# KiCad board coco2.kicad_pcb (continued)
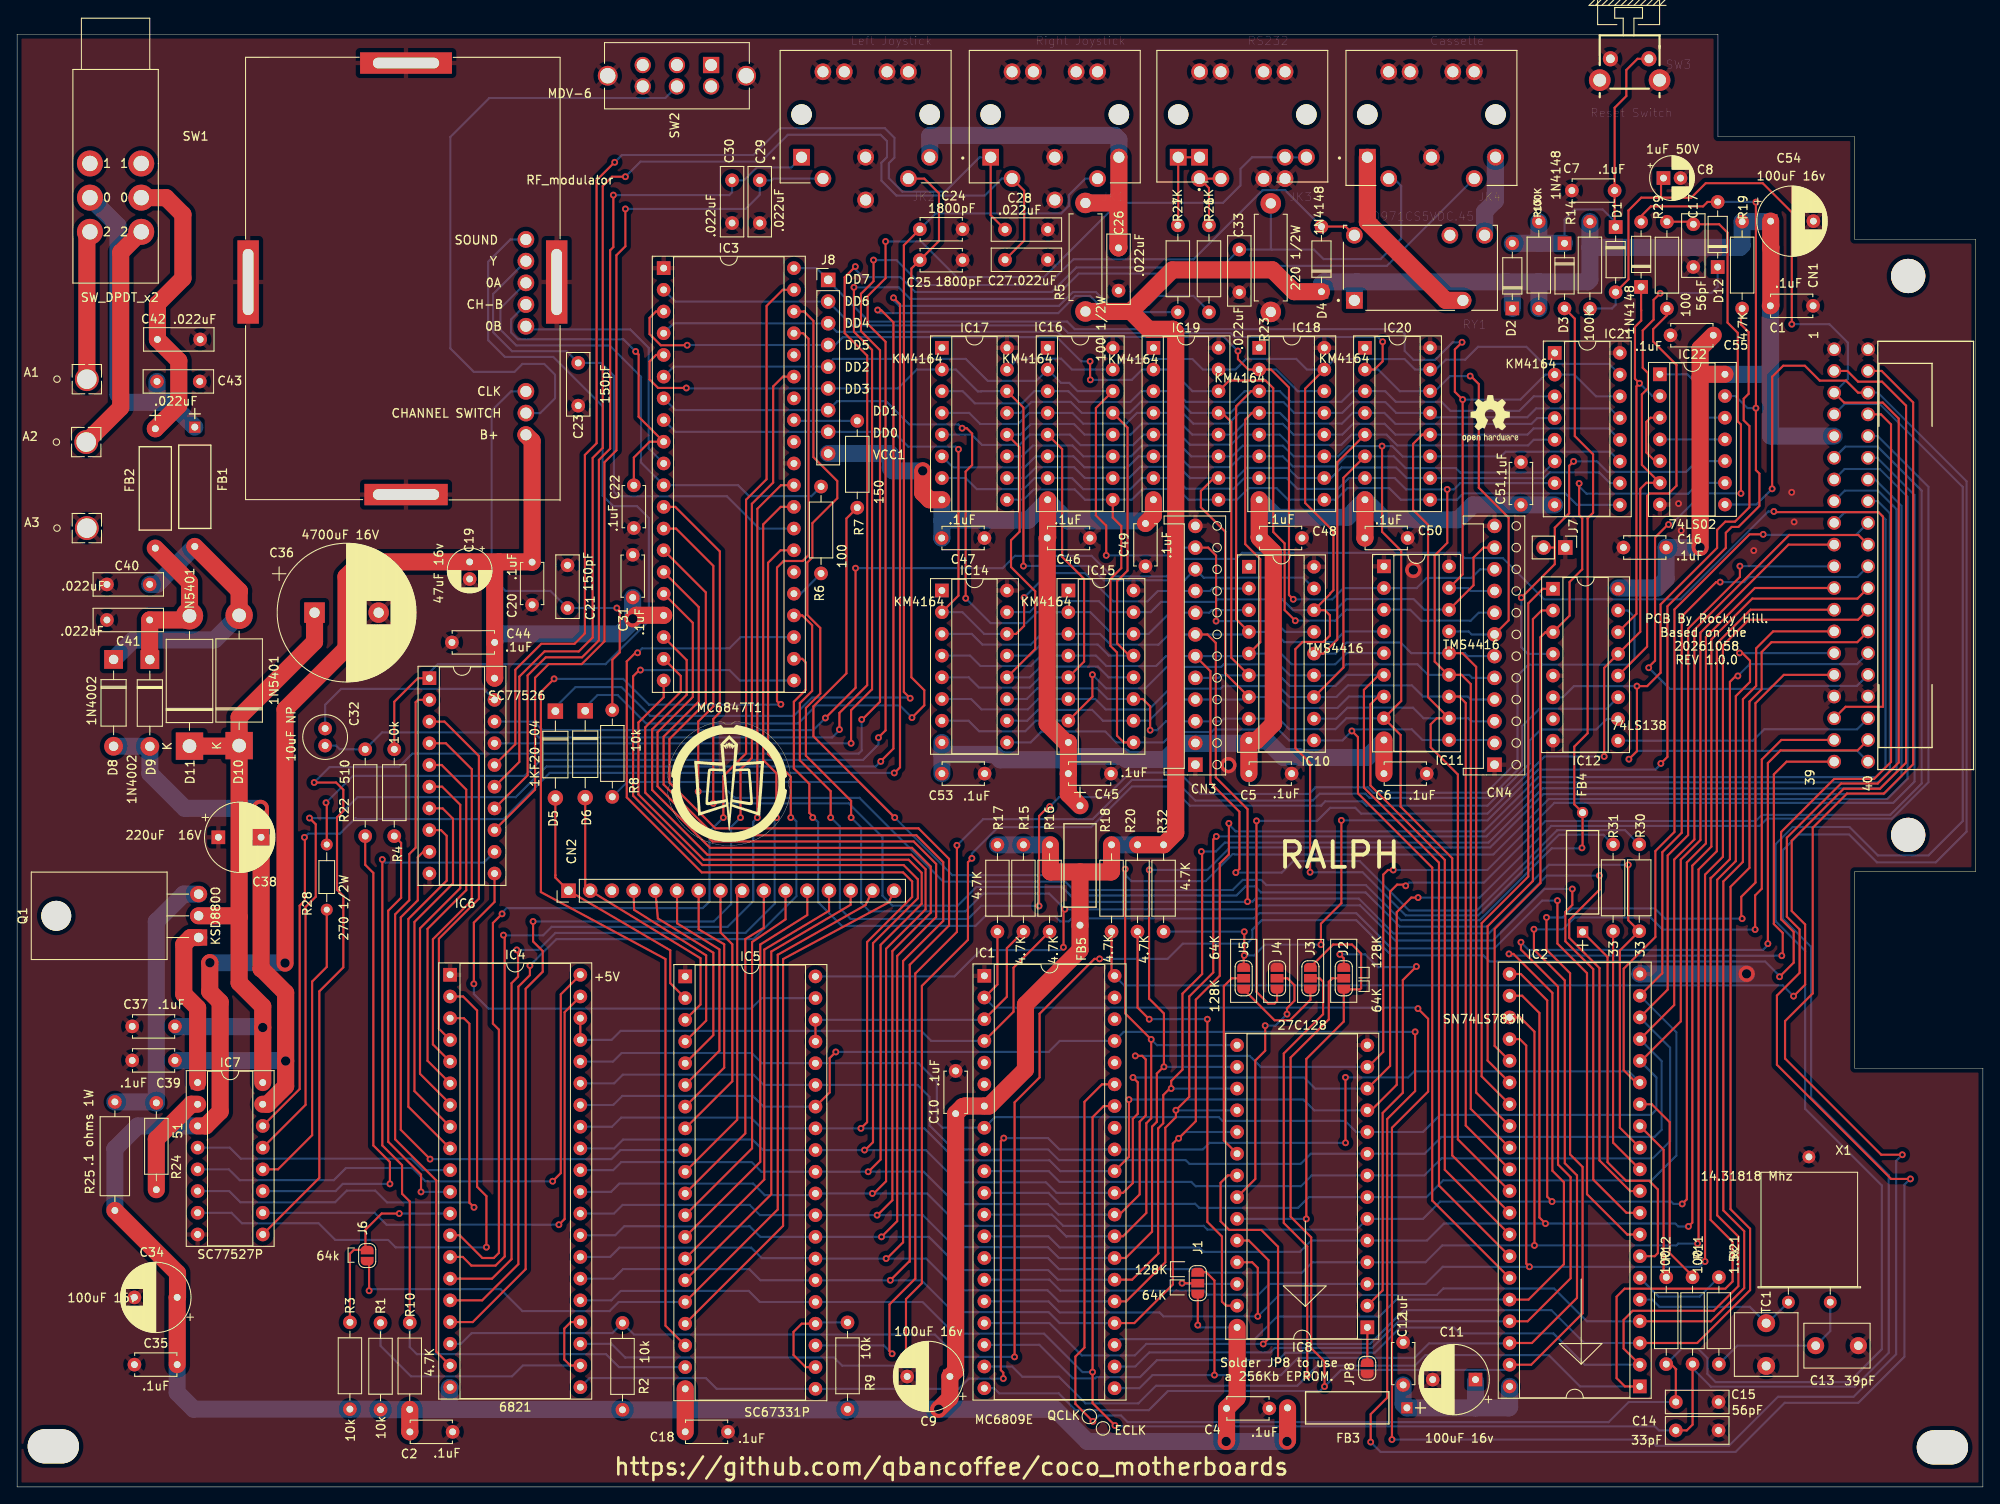
[diagram p0: board, top side]
## Footprints (pads in the part's own frame, mm; a bottom-side part is the same pattern mirrored in y, then rotated)
B3F3152
  round 1.778 hole 1.016: 1(1.25,-2.5) 2(5.75,-2.5)
  round 2.54 hole 1.5: GNDS(0,0) GNDS(7,0)
C_Disc_D4.7mm_W2.5mm_P5.00mm
  round 1.6 hole 0.8: 1(0,0) 2(5,0)
C_Disc_D7.5mm_W5.0mm_P5.00mm
  round 2 hole 1: 1(0,0) 2(5,0)
C_Disc_D8.0mm_W2.5mm_P5.00mm
  round 1.6 hole 0.8: 1(0,0) 2(5,0)
C_Radial_D5.0mm_H11.0mm_P2.00mm
  round 1.6 hole 0.8: 1(0,0) 2(2,0)
C_Rect_L7.2mm_W2.5mm_P5.00mm_FKS2_FKP2_MKS2_MKP2
  round 1.6 hole 0.8: 1(0,0) 2(5,0)
C_Rect_L7.2mm_W3.0mm_P5.00mm_FKS2_FKP2_MKS2_MKP2
  round 1.6 hole 0.8: 1(0,0) 2(5,0)
C_Rect_L7.2mm_W7.2mm_P5.00mm_FKS2_FKP2_MKS2_MKP2
  round 2.1 hole 1.05: 1(0,0) 2(5,0)
CoCo_2_3134A_RF_Modulator
  round 1.95 hole 1.3: 1(-5.2,-46.38) 2(-5.2,-43.84) 3(-5.2,-41.3) 4(-5.2,-33.68) 5(-5.2,-31.14) 6(-5.2,-28.6) 7(-5.2,-26.06) 8(-5.2,-23.52)
  rect 2.5x9.75 hole 1.25x7.75: 9(-37.7,-28.5) 9(-1.6,-28.5)
  rect 10.75x2.5 hole 7.75x1.25: 9(-19.225,-2.875)
  rect 9.75x2.5 hole 7.75x1.25: 9(-19.225,-53.375)
CP_Radial_D5.0mm_P2.00mm
  rect 1.6x1.6 hole 0.8: 1(0,0)
  round 1.6 hole 0.8: 2(2,0)
CP_Radial_D8.0mm_P5.00mm
  rect 1.6x1.6 hole 0.8: 1(0,0)
  round 1.6 hole 0.8: 2(5,0)
CP_Radial_D16.0mm_P7.50mm
  rect 2.4x2.4 hole 1.2: 1(0,0)
  round 2.4 hole 1.2: 2(7.5,0)
Crystal_HC49-U_Horizontal
  round 1.5 hole 0.8: 1(0,0) 2(4.9,0) 3(2.5,-17)
CUI_SDS-40J
  round 2.4 hole 2.4 unplated: (-7.5,0) (7.5,0)
  rect 1.95x1.95 hole 1.3: 1(5,5) 1(7.5,5)
  round 1.95 hole 1.3: 2(2.5,7.5) 2(5,7.5) 3(-5,7.5) 3(-2.5,7.5) 4(-7.5,5) 4(-5,5) E1(-5,-5) E1(-2.5,-5) E2(2.5,-5) E2(5,-5)
CUI_SDS-50J
  round 2.4 hole 2.4 unplated: (-7.5,0) (7.5,0)
  rect 1.95x1.95 hole 1.3: 1(7.5,5)
  round 1.95 hole 1.3: 2(0,5) 3(-7.5,5) 4(5,7.5) 5(-5,7.5) E1(-5,-5) E1(-2.5,-5) E2(2.5,-5) E2(5,-5)
CUI_SDS-60J
  round 2.4 hole 2.4 unplated: (-7.5,0) (7.5,0)
  rect 1.95x1.95 hole 1.3: 1(7.5,5)
  round 1.95 hole 1.3: 2(5,7.5) 3(0,5) 4(-5,7.5) 5(-7.5,5) 6(0,10) E1(-5,-5) E1(-2.5,-5) E2(2.5,-5) E2(5,-5)
D_A-405_P10.16mm_Horizontal
  rect 1.8x1.8 hole 0.9: 1(0,0)
  oval 1.8x1.8 hole 0.9: 2(10.16,0)
D_DO-35_SOD27_P7.62mm_Horizontal
  rect 1.6x1.6 hole 0.8: 1(0,0)
  oval 1.6x1.6 hole 0.8: 2(7.62,0)
D_DO-41_SOD81_P10.16mm_Horizontal
  rect 2.2x2.2 hole 1.1: 1(0,0)
  oval 2.2x2.2 hole 1.1: 2(10.16,0)
D_DO-201AD_P15.24mm_Horizontal
  rect 3.2x3.2 hole 1.6: 1(0,0)
  oval 3.2x3.2 hole 1.6: 2(15.24,0)
DIP-14_W7.62mm_Socket
  rect 1.6x1.6 hole 0.8: 1(0,0)
  oval 1.6x1.6 hole 0.8: 2(0,-2.54) 3(0,-5.08) 4(0,-7.62) 5(0,-10.16) 6(0,-12.7) 7(0,-15.24) 8(7.62,-15.24) 9(7.62,-12.7) 10(7.62,-10.16) 11(7.62,-7.62) 12(7.62,-5.08) 13(7.62,-2.54) 14(7.62,0)
DIP-16_W7.62mm_Socket
  rect 1.6x1.6 hole 0.8: 1(0,0)
  oval 1.6x1.6 hole 0.8: 2(0,-2.54) 3(0,-5.08) 4(0,-7.62) 5(0,-10.16) 6(0,-12.7) 7(0,-15.24) 8(0,-17.78) 9(7.62,-17.78) 10(7.62,-15.24) 11(7.62,-12.7) 12(7.62,-10.16) 13(7.62,-7.62) 14(7.62,-5.08) 15(7.62,-2.54) 16(7.62,0)
DIP-18_W7.62mm_Socket
  rect 1.6x1.6 hole 0.8: 1(0,0)
  oval 1.6x1.6 hole 0.8: 2(0,-2.54) 3(0,-5.08) 4(0,-7.62) 5(0,-10.16) 6(0,-12.7) 7(0,-15.24) 8(0,-17.78) 9(0,-20.32) 10(7.62,-20.32) 11(7.62,-17.78) 12(7.62,-15.24) 13(7.62,-12.7) 14(7.62,-10.16) 15(7.62,-7.62) 16(7.62,-5.08) 17(7.62,-2.54) 18(7.62,0)
DIP-20_W7.62mm_Socket
  rect 1.6x1.6 hole 0.8: 1(0,0)
  oval 1.6x1.6 hole 0.8: 2(0,-2.54) 3(0,-5.08) 4(0,-7.62) 5(0,-10.16) 6(0,-12.7) 7(0,-15.24) 8(0,-17.78) 9(0,-20.32) 10(0,-22.86) 11(7.62,-22.86) 12(7.62,-20.32) 13(7.62,-17.78) 14(7.62,-15.24) 15(7.62,-12.7) 16(7.62,-10.16) 17(7.62,-7.62) 18(7.62,-5.08) 19(7.62,-2.54) 20(7.62,0)
DIP-28_W15.24mm_Socket
  rect 1.6x1.6 hole 0.8: 1(0,0)
  oval 1.6x1.6 hole 0.8: 2(0,-2.54) 3(0,-5.08) 4(0,-7.62) 5(0,-10.16) 6(0,-12.7) 7(0,-15.24) 8(0,-17.78) 9(0,-20.32) 10(0,-22.86) 11(0,-25.4) 12(0,-27.94) 13(0,-30.48) 14(0,-33.02) 15(15.24,-33.02) 16(15.24,-30.48) 17(15.24,-27.94) 18(15.24,-25.4) 19(15.24,-22.86) 20(15.24,-20.32) 21(15.24,-17.78) 22(15.24,-15.24) 23(15.24,-12.7) 24(15.24,-10.16) 25(15.24,-7.62) 26(15.24,-5.08) 27(15.24,-2.54) 28(15.24,0)
DIP-40_W15.24mm_Socket
  rect 1.6x1.6 hole 0.8: 1(0,0)
  oval 1.6x1.6 hole 0.8: 2(0,-2.54) 3(0,-5.08) 4(0,-7.62) 5(0,-10.16) 6(0,-12.7) 7(0,-15.24) 8(0,-17.78) 9(0,-20.32) 10(0,-22.86) 11(0,-25.4) 12(0,-27.94) 13(0,-30.48) 14(0,-33.02) 15(0,-35.56) 16(0,-38.1) 17(0,-40.64) 18(0,-43.18) 19(0,-45.72) 20(0,-48.26) 21(15.24,-48.26) 22(15.24,-45.72) 23(15.24,-43.18) 24(15.24,-40.64) 25(15.24,-38.1) 26(15.24,-35.56) 27(15.24,-33.02) 28(15.24,-30.48) 29(15.24,-27.94) 30(15.24,-25.4) 31(15.24,-22.86) 32(15.24,-20.32) 33(15.24,-17.78) 34(15.24,-15.24) 35(15.24,-12.7) 36(15.24,-10.16) 37(15.24,-7.62) 38(15.24,-5.08) 39(15.24,-2.54) 40(15.24,0)
EBC20DRAS
  round 4 hole 4: (-8.572,4.699) (56.833,4.699)
  round 1.6 hole 1.092: 1(0,-3.962) 2(0,0) 3(2.54,-3.962) 4(2.54,0) 5(5.08,-3.962) 6(5.08,0) 7(7.62,-3.962) 8(7.62,0) 9(10.16,-3.962) 10(10.16,0) 11(12.7,-3.962) 12(12.7,0) 13(15.24,-3.962) 14(15.24,0) 15(17.78,-3.962) 16(17.78,0) 17(20.32,-3.962) 18(20.32,0) 19(22.86,-3.962) 20(22.86,0) 21(25.4,-3.962) 22(25.4,0) 23(27.94,-3.962) 24(27.94,0) 25(30.48,-3.962) 26(30.48,0) 27(33.02,-3.962) 28(33.02,0) 29(35.56,-3.962) 30(35.56,0) 31(38.1,-3.962) 32(38.1,0) 33(40.64,-3.962) 34(40.64,0) 35(43.18,-3.962) 36(43.18,0) 37(45.72,-3.962) 38(45.72,0) 39(48.26,-3.962) 40(48.26,0)
F2UEE
  round 3.044 hole 1.8: 1(-6,0) 2(-6,-4) 3(-6,-8) 4(0,0) 5(0,-4) 6(0,-8)
ferrite_bead
  rect 1.321x1.321 hole 0.813: 1(0,0)
  round 1.321 hole 0.813: 2(13.97,0)
MFS201N-16-Z
  rect 1.905x1.905 hole 1.397: 1(0,0)
  round 1.905 hole 1.397: 2(0,-4) 3(0,-8) 4(2.5,-8) 5(2.5,-4) 6(2.5,0)
  round 2.311 hole 1.803: 7(1.25,4.1) 8(1.25,-12.1)
MountingHole_4mm
  oval 6x4 hole 6x4 unplated: (0,0)
PinHeader_1x02_P2.54mm_Vertical
  rect 1.7x1.7 hole 1: 1(0,0)
  oval 1.7x1.7 hole 1: 2(0,-2.54)
PinHeader_1x09_P2.54mm_Vertical
  rect 1.7x1.7 hole 1: 1(0,0)
  oval 1.7x1.7 hole 1: 2(0,-2.54) 3(0,-5.08) 4(0,-7.62) 5(0,-10.16) 6(0,-12.7) 7(0,-15.24) 8(0,-17.78) 9(0,-20.32)
PinHeader_1x16_P2.54mm_Vertical
  rect 1.7x1.7 hole 1: 1(0,0)
  oval 1.7x1.7 hole 1: 2(0,-2.54) 3(0,-5.08) 4(0,-7.62) 5(0,-10.16) 6(0,-12.7) 7(0,-15.24) 8(0,-17.78) 9(0,-20.32) 10(0,-22.86) 11(0,-25.4) 12(0,-27.94) 13(0,-30.48) 14(0,-33.02) 15(0,-35.56) 16(0,-38.1)
PinSocket_1x12_P2.54mm_for_memory_board_adapter
  rect 1.7x1.7 hole 1: 1(0,0)
  oval 1.7x1.7 hole 1: 2(0,-2.54) 3(0,-5.08) 4(0,-7.62) 5(0,-10.16) 6(0,-12.7) 7(0,-15.24) 8(0,-17.78) 9(0,-20.32) 10(0,-22.86) 11(0,-25.4) 12(0,-27.94)
power_connector_post
  round 2.794 hole 2.286: 1(0,0)
R_Axial_DIN0204_L3.6mm_D1.6mm_P7.62mm_Horizontal
  round 1.4 hole 0.7: 1(0,0)
  oval 1.4x1.4 hole 0.7: 2(7.62,0)
R_Axial_DIN0207_L6.3mm_D2.5mm_P10.16mm_Horizontal
  round 1.6 hole 0.8: 1(0,0)
  oval 1.6x1.6 hole 0.8: 2(10.16,0)
R_Axial_DIN0309_L9.0mm_D3.2mm_P12.70mm_Horizontal
  round 1.6 hole 0.8: 1(0,0)
  oval 1.6x1.6 hole 0.8: 2(12.7,0)
R_Axial_DIN0411_L9.9mm_D3.6mm_P12.70mm_Horizontal
  round 2.4 hole 1.2: 1(0,0)
  oval 2.4x2.4 hole 1.2: 2(12.7,0)
RELAY_J0971CS5VDC.45
  round 1.95 hole 1.3: 11(4.97,-3.81) 12(3.446,3.81) 14(7.51,3.81) A2(-7.73,3.81)
  rect 1.95x1.95 hole 1.3: A1(-7.73,-3.81)
SolderJumper-2_P1.3mm_Open_RoundedPad1.0x1.5mm
  custom 1x1.5 smd: 1(-0.65,0) 2(0.65,0)
SolderJumper-3_P1.3mm_Open_RoundedPad1.0x1.5mm_NumberLabels
  custom 1.05x1.5 smd: 1(-1.3,0) 3(1.3,0)
  rect 1x1.5 smd: 2(0,0)
TO-220-3_Horizontal_TabDown
  oval 3.5x3.5 hole 3.5 unplated: (2.54,16.66)
  rect 1.905x2 hole 1.1: 1(0,0)
  oval 1.905x2 hole 1.1: 2(2.54,0) 3(5.08,0)

## Nets
+5V: C1.1 C2.2 C4.1 C9.1 C10.2 C16.1 C18.2 C19.1 C20.1 C31.1 C34.1 C35.2 C44.2 C54.1 C55.1 CN1.9 D2.1 D4.1 FB3.2 FB5.2 IC1.7 IC3.17 IC4.20 IC5.20 IC6.20 IC7.3 IC8.28 IC12.16 IC22.14 J1.3 MDV-6.1 R1.1 R2.2 R3.1 R5.1 R9.1 R10.2 R13.1 R14.1 R15.1 R16.1 R17.1 R18.1 R19.1 R20.1 R25.1 R32.1 RY1.A1
/dram/VCC1: C5.2 C6.2 C45.2 C46.2 C47.2 C48.2 C49.2 C50.2 C51.2 C53.2 CN3.2 FB5.1 IC10.9 IC11.9 IC14.8 IC15.8 IC16.8 IC17.8 IC18.8 IC19.8 IC20.8 IC21.8 J8.9
GNDS: A3.1 C1.2 C2.1 C4.2 C5.1 C6.1 C7.2 C8.2 C9.2 C10.1 C11.2 C12.1 C13.2 C14.1 C15.1 C16.2 C17.1 C18.1 C19.2 C20.2 C21.1 C22.2 C23.1 C24.2 C25.2 C26.2 C27.2 C28.1 C29.2 C30.1 C31.2 C33.1 C34.2 C35.1 C36.2 C37.1 C38.1 C39.2 C40.2 C41.2 C42.2 C43.2 C44.1 C45.1 C46.1 C47.1 C48.1 C49.1 C50.1 C51.1 C53.1 C54.2 C55.2 CN1.1 CN1.2 CN1.33 CN1.34 CN3.1 CN3.12 CN4.1 CN4.12 IC1.1 IC1.39 IC2.20 IC3.1 IC3.31 IC4.1 IC5.1 IC6.10 IC7.8 IC8.14 IC10.1 IC10.18 IC11.1 IC11.18 IC12.5 IC12.8 IC14.16 IC15.16 IC16.16 IC17.16 IC18.16 IC19.16 IC20.16 IC21.16 IC22.3 IC22.5 IC22.7 J4.1 J7.1 JK1.3 JK1.6 JK1.E1 JK1.E2 JK2.3 JK2.6 JK2.E1 JK2.E2 JK3.3 JK3.E1 JK3.E2 JK4.2 JK4.E1 JK4.E2 JP8.2 MDV-6.9 R23.1 SW2.4 SW2.7 SW2.8 SW3.2 SW3.GNDS TC1.2 X1.3
/A0: CN1.19 IC1.8 IC2.16 IC4.36 IC5.36 IC8.10
/A1: CN1.20 IC1.9 IC2.17 IC4.35 IC5.35 IC8.9
/A2: CN1.21 IC1.10 IC2.18 IC8.8
/A3: CN1.22 IC1.11 IC2.19 IC8.7
/A4: CN1.23 IC1.12 IC2.21 IC8.6
/A5: CN1.24 IC1.13 IC2.22 IC8.5
/A6: CN1.25 IC1.14 IC2.23 IC8.4
/A7: CN1.26 IC1.15 IC2.24 IC8.3
/A8: CN1.27 IC1.16 IC2.4 IC8.25
/A9: CN1.28 IC1.17 IC2.3 IC8.24
/A10: CN1.29 IC1.18 IC2.2 IC8.21
/A11: CN1.30 IC1.19 IC2.1 J3.2
/A12: CN1.31 IC1.20 IC2.39 J2.2
/A13: CN1.37 IC1.21 IC2.38 J1.1
/A14: CN1.38 IC1.22 IC2.37
/A15: CN1.39 IC1.23 IC2.36
/CART_SND: CN1.35 IC6.18
/D0: CN1.10 IC1.31 IC3.23 IC4.33 IC5.33 IC8.11
/D1: CN1.11 IC1.30 IC3.21 IC4.32 IC5.32 IC8.12
/D2: CN1.12 IC1.29 IC3.20 IC4.31 IC5.31 IC8.13
/D3: CN1.13 IC1.28 IC3.19 IC4.30 IC5.30 IC8.15
/D4: CN1.14 IC1.27 IC3.18 IC4.29 IC5.29 IC8.16
/D5: CN1.15 IC1.26 IC3.16 IC4.28 IC5.28 IC8.17
/D6: CN1.16 IC1.25 IC3.15 IC4.27 IC5.27 IC8.18
/D7: CN1.17 IC1.24 IC3.14 IC4.26 IC5.26 IC8.19
/dram/DD0: CN3.9 IC3.8 IC10.2 IC14.2 IC14.14 J8.8
/dram/DD1: CN3.8 IC3.7 IC10.3 IC15.2 IC15.14 J8.7
/dram/DD2: CN3.11 IC3.6 IC10.15 IC16.2 IC16.14 J8.5
/dram/DD3: CN3.10 IC3.5 IC10.17 IC17.2 IC17.14 J8.6
/dram/DD4: CN4.10 IC3.4 IC11.2 IC18.2 IC18.14 J8.3
/dram/DD5: CN4.8 IC3.3 IC11.3 IC19.2 IC19.14 J8.4
/dram/DD6: CN4.7 IC3.2 IC11.15 IC20.2 IC20.14 J8.2
/dram/DD7: CN4.9 IC3.40 IC11.17 IC21.2 IC21.14 J8.1
/dram/MA0: CN4.6 IC2.28 IC10.14 IC11.14 IC14.5 IC15.5 IC16.5 IC17.5 IC18.5 IC19.5 IC20.5 IC21.5
/dram/MA1: CN4.5 IC2.29 IC10.13 IC11.13 IC14.7 IC15.7 IC16.7 IC17.7 IC18.7 IC19.7 IC20.7 IC21.7
/dram/MA2: CN4.4 IC2.30 IC10.12 IC11.12 IC14.6 IC15.6 IC16.6 IC17.6 IC18.6 IC19.6 IC20.6 IC21.6
/dram/MA3: CN4.3 IC2.31 IC10.11 IC11.11 IC14.12 IC15.12 IC16.12 IC17.12 IC18.12 IC19.12 IC20.12 IC21.12
/dram/MA4: CN3.3 IC2.32 IC10.8 IC11.8 IC14.11 IC15.11 IC16.11 IC17.11 IC18.11 IC19.11 IC20.11 IC21.11
/dram/MA5: CN3.4 IC2.33 IC10.7 IC11.7 IC14.10 IC15.10 IC16.10 IC17.10 IC18.10 IC19.10 IC20.10 IC21.10
/dram/MA6: CN3.5 IC2.34 IC10.6 IC11.6 IC14.13 IC15.13 IC16.13 IC17.13 IC18.13 IC19.13 IC20.13 IC21.13
/dram/MA7: CN4.2 IC2.35 IC10.10 IC11.10 IC14.9 IC15.9 IC16.9 IC17.9 IC18.9 IC19.9 IC20.9 IC21.9
/dram/~{CAS}: CN4.11 IC10.16 IC11.16 IC14.15 IC15.15 IC16.15 IC17.15 IC18.15 IC19.15 IC20.15 IC21.15 R31.1
/dram/~{RAS}: CN3.6 IC10.5 IC11.5 IC14.4 IC15.4 IC16.4 IC17.4 IC18.4 IC19.4 IC20.4 IC21.4 R30.1
/dram/~{WE}: CN3.7 IC2.10 IC3.12 IC10.4 IC11.4 IC14.3 IC15.3 IC16.3 IC17.3 IC18.3 IC19.3 IC20.3 IC21.3
/E: C14.2 CN1.6 IC1.34 IC4.25 IC5.25 IC22.8 R11.1
/peripherals/+SALT_VIN: C36.1 C37.2 D10.1 D11.1 IC7.16 Q1.2
/peripherals/-SALT_VIN: C38.2 C39.1 D8.2 D9.2 IC7.15
/peripherals/CASS_DATA_IN: C32.1 C33.2 JK4.4 R22.1 R23.2
/peripherals/CASS_DATA_OUT_TTL: IC4.2 IC7.7
/peripherals/CASS_M_IN_TTL: IC4.39 IC7.10
/peripherals/CASS_MTR_OUT: D4.2 IC7.9 RY1.A2
/peripherals/CD_IN: IC7.13 R27.1
/peripherals/CD_OUT_TTL: IC4.40 IC7.5
/peripherals/CSS: IC3.39 IC4.13
/peripherals/GM1: IC3.29 IC4.15
/peripherals/GM2: IC3.27 IC4.16
/peripherals/HI_LO: IC5.9 IC6.9
/peripherals/JOY0: C28.2 IC6.16 JK1.1
/peripherals/JOY1: C27.1 IC6.15 JK1.2
/peripherals/JOY2: C30.2 IC6.14 JK2.1
/peripherals/JOY3: C29.1 IC6.13 JK2.2
/peripherals/KR3: CN2.4 IC5.4
/peripherals/KR4: CN2.5 IC5.5
/peripherals/KR5: CN2.6 IC5.6
/peripherals/KR6: CN2.7 IC5.7
/peripherals/KR7: CN2.8 IC5.8
/peripherals/LSW: CN2.2 D6.2 IC5.3
/peripherals/RSW: CN2.1 D5.2 IC5.2
/peripherals/SELA: IC5.39 IC6.11
/peripherals/SELB: IC5.19 IC6.12 R10.1
/peripherals/SER_DATA_IN_TTL: IC4.3 IC7.6
/peripherals/SER_DATA_OUT: IC7.12 R28.2
/peripherals/SER_DATA_OUT_TTL: IC4.10 IC7.4
/peripherals/SERIAL_DATA_IN: IC7.14 R26.1
/peripherals/SND_OUT: IC6.1 MDV-6.8 R4.1
/peripherals/~{A}_G: IC3.35 IC4.17
/Q: C15.2 CN1.7 IC1.35 R12.1
/roms/128K_ROM_~{CE}: D7.2 D12.2 IC22.13 J5.1 R32.2
/roms/A11_OR_A12: IC8.23 J2.1 J3.1
/roms/A12_OR: IC8.2 J2.3
/roms/A13_VCC: IC8.26 J1.2
/roms/~{CE_}A11: IC8.20 J5.2
/roms/~{CS_BASIC}: D12.1 IC12.13 IC22.6 J4.3
/roms/~{ROM_OE}: IC8.22 J4.2
/R~{W}: CN1.18 IC1.32 IC2.15 IC4.21 IC5.21
/sam/DA0: IC2.8 IC3.22
/sam/~{BUS_ENABLE}: IC3.24 IC12.15
/sam/~{CS_EXTENDED_BASIC}: D7.1 IC12.14 IC22.2
/sam/~{RAS_}CP: IC2.12 IC3.13 R30.2
/VDGCLK: D3.2 FB4.2 R7.1 R8.2
/video/~{BURST}PC: IC3.25 R6.1
/video/~{INT}_EXT: IC3.30 IC4.14
/~{CART}: CN1.8 IC4.18 R2.1
/~{CS_PIA0}: IC5.23 IC12.11
/~{CSPIA1}: IC4.23 IC12.10
/~{CTS}: C17.2 CN1.32 R29.1
/~{FIRQ}: IC1.4 IC4.37 IC4.38 R16.2
/~{FS}: IC3.37 IC5.18
/~{HALT}: CN1.3 IC1.40 R18.2
/~{HS}: IC2.9 IC3.38 IC5.40
/~{IRQ}: IC1.3 IC5.37 IC5.38 R15.2
/~{NMI}: CN1.4 IC1.2 R17.2
/~{RESET}: C8.1 CN1.5 D1.2 IC1.37 IC4.34 IC5.34 R14.2
/~{SCS}: CN1.36 IC12.9
/~{SLENB}: CN1.40 IC12.6 R19.2
Net-(A1-Pad1): A1.1 SW1.3
Net-(A2-Pad1): A2.1 SW1.6
Net-(C7-Pad1): C7.1 D1.1 D2.2 D3.1 R13.2 SW3.1
Net-(C11-Pad1): C11.1 C12.2 FB3.1 IC2.40
Net-(C13-Pad1): C13.1 R21.2 X1.1
Net-(C21-Pad2): C21.2 MDV-6.3 R8.1
Net-(C22-Pad1): C22.1 IC3.9 MDV-6.5
Net-(C23-Pad2): C23.2 IC3.28 MDV-6.7
Net-(C24-Pad1): C24.1 D5.1 JK1.4
Net-(C25-Pad1): C25.1 D6.1 JK2.4
Net-(C26-Pad1): C26.1 JK1.5 JK2.5 R5.2
Net-(C32-Pad2): C32.2 IC6.19
Net-(C40-Pad1): C40.1 D8.1 D10.2 FB1.2
Net-(C41-Pad1): C41.1 D9.1 D11.2 FB2.2
Net-(C42-Pad1): C42.1 FB2.1 SW1.5
Net-(C43-Pad1): C43.1 FB1.1 SW1.2
Net-(CN2-Pad9): CN2.9 IC5.10
Net-(CN2-Pad10): CN2.10 IC5.11
Net-(CN2-Pad11): CN2.11 IC5.12
Net-(CN2-Pad12): CN2.12 IC5.13
Net-(CN2-Pad13): CN2.13 IC5.14
Net-(CN2-Pad14): CN2.14 IC5.15
Net-(CN2-Pad15): CN2.15 IC5.16 J6.1
Net-(CN2-Pad16): CN2.16 IC5.17
Net-(FB4-Pad1): FB4.1 IC2.7
Net-(IC2-Pad5): IC2.5 TC1.1 X1.2
Net-(IC2-Pad6): IC2.6 R21.1
Net-(IC2-Pad11): IC2.11 R31.2
Net-(IC2-Pad13): IC2.13 R12.2
Net-(IC2-Pad14): IC2.14 R11.2
Net-(IC3-Pad10): IC3.10 MDV-6.4
Net-(IC3-Pad11): IC3.11 MDV-6.6 R6.2
Net-(IC3-Pad33): IC3.33 R7.2
Net-(IC4-Pad4): IC4.4 IC6.3
Net-(IC4-Pad5): IC4.5 IC6.4
Net-(IC4-Pad6): IC4.6 IC6.5
Net-(IC4-Pad7): IC4.7 IC6.6
Net-(IC4-Pad8): IC4.8 IC6.7
Net-(IC4-Pad9): IC4.9 IC6.8
Net-(IC4-Pad11): IC4.11 R4.2
Net-(IC4-Pad12): IC4.12 J6.2 R3.2
Net-(IC4-Pad19): IC4.19 IC6.2
Net-(IC4-Pad22): IC4.22 IC4.24 R1.2
Net-(IC5-Pad22): IC5.22 IC5.24 R9.2
Net-(IC6-Pad17): IC6.17 JK4.5
Net-(IC7-Pad1): IC7.1 Q1.1
Net-(IC7-Pad2): IC7.2 R24.2
Net-(IC7-Pad11): IC7.11 R22.2
Net-(IC8-Pad1): IC8.1 JP8.1
Net-(IC8-Pad27): IC8.27 R20.2
Net-(IC12-Pad1): IC2.27 IC12.1
Net-(IC12-Pad2): IC2.26 IC12.2
Net-(IC12-Pad3): IC2.25 IC12.3 IC22.9
Net-(IC12-Pad4): IC12.4 IC22.10 J7.2
Net-(IC12-Pad12): IC12.12 R29.2
Net-(IC22-Pad1): IC22.1 IC22.12
Net-(IC22-Pad11): IC22.4 IC22.11
Net-(J3-Pad3): J3.3 J5.3
Net-(JK3-Pad1): JK3.1 R27.2
Net-(JK3-Pad2): JK3.2 R26.2
Net-(JK3-Pad4): JK3.4 R28.1
Net-(JK4-Pad1): JK4.1 RY1.11
Net-(JK4-Pad3): JK4.3 RY1.14
Net-(MDV-6-Pad2): MDV-6.2 SW2.5
Net-(Q1-Pad3): Q1.3 R24.1 R25.2

Pads without a net: CN2 3; IC1 5 6 33 36 38; IC3 26 32 34 36; IC12 7; IC14 1; IC15 1; IC16 1; IC17 1; IC18 1; IC19 1; IC20 1; IC21 1; RY1 12; SW1 1 4; SW2 1 2 3 6

## Via types
v1: diameter 1.9, hole 1.1, Top to Bottom, 14 vias
v2: diameter 0.8, hole 0.4, Top to Bottom, 201 vias

## Routing (per net, layer and track width the routed paths; a pad name or vN(x,y) marks a point on that pad's centre or on a via; arc(x,y) is an arc through that point)
+5V: length 714.5
  Top w0.25: J1.3 v2(138.14,18.93)
  Top w2: IC22.14 197.3,130.2 196.91,129.81 ; C1.1 205.19,138.27 205.19,145.02 205.17,145.04 C54.1 ; C2.2 45.94,6.46 R10.2 ; v1(141.46,5.32) 141.51,5.37 C4.1 142.74,10.42 IC8.28 ; 130.3,137.55 135.17,142.42 146.87,142.42 149.42,139.87 D4.1 ; 130.3,137.55 132.38,135.47 135.23,135.47 135.56,135.14 135.56,76.55 134.15,75.14 R20.1 ; 130.3,137.55 R5.1 ; 124.4,71.96 124.36,71.92 FB5.2 124.36,62.83 117.98,56.45 117.98,48.84 113.71,44.57 IC1.7 110.88,44.57 110.81,44.5 110.63,44.5 C10.2 109.81,13.59 C9.1 109.14,10.4 v1(107.83,9.09) ; 124.4,71.96 120.93,71.96 120.89,72 120.89,75.14 ; 124.4,71.96 127.98,71.96 128.05,72.03 R18.1 ; MDV-6.1 60.26,122.4 C20.1 60.23,108.25 56.39,108.25 ; 56.39,108.25 55.87,107.74 C44.2 55.87,94.66 IC6.20 ; 56.39,108.25 C19.1 40.21,108.25 38.48,106.52 38.48,98.1 31.35,90.97 v1(31.35,61.3) ; IC3.17 75.64,102 72.44,102 v1(72.03,101.59) ; v1(196.91,109.95) 196.91,129.81 ; 196.91,129.81 196.91,133.23 C55.1 ; IC7.3 22.07,42.24 23.76,43.93 23.76,56.74 22.54,57.96 22.54,61.32 v1(22.56,61.34) ; FB3.2 148.64,5.47 148.63,5.46 ; R25.1 18.77,25.02 18.77,22.22 C34.1 C35.2 ; IC5.20 C18.2
  Bottom w0.25: v2(138.14,18.93) 138.4,18.67 IC8.28
  Bottom w2: 78.17,11.42 78.21,11.42 78.21,9.02 ; v1(196.91,109.95) 196.89,109.93 C16.1 192.94,106.26 191.88,105.2 187.32,105.2 ; 156.76,141.03 152.9,141.03 152.61,140.73 D4.1 ; 156.76,141.03 174.29,141.03 ; 156.76,141.03 156.46,140.72 RY1.A1 ; v1(31.35,61.3) 31.31,61.34 v1(22.56,61.34) ; R25.1 11.44,39.57 14.11,42.24 IC7.3 ; IC22.14 205.02,130.2 205.16,130.06 ; 178.04,141.03 178.04,141.02 R13.1 ; 178.04,141.03 183.78,141.03 184.02,141.27 184.02,145.05 ; 178.04,141.03 174.29,141.03 ; 184.02,145.05 201.59,145.05 201.83,145.29 R19.1 205.11,148.06 C54.1 ; 184.02,145.05 R14.1 ; C35.2 18.73,11.03 20.66,9.1 R3.1 42.46,9.1 R1.1 45.91,9.04 R10.2 50.57,9.07 ; 174.29,141.03 174.94,140.37 D2.1 ; CN1.9 205.2,122.97 205.16,123.01 205.16,130.06 ; 205.16,130.06 205.16,138.17 ; 78.21,9.02 97.09,9.02 R9.1 v1(107.83,9.09) 121.45,9.09 125.22,5.32 v1(141.46,5.32) v1(148.58,5.32) ; 78.21,9.02 R2.2 70.78,9.07 50.57,9.07 ; 50.66,11.62 50.61,11.62 50.57,11.58 50.57,9.07 ; C31.1 v1(72.03,101.59) 72.03,101.33 70.53,99.83 55.93,99.83 55.87,99.78 C44.2 ; R17.1 R16.1 ; R18.1 R20.1
/dram/VCC1: length 235.8
  Top w2: C50.2 157.7,111.05 IC20.8 ; C5.2 IC10.9 145.04,87.36 147.01,89.33 146.98,89.37 146.98,109.4 C48.2 ; IC17.8 106.75,115.52 105.95,116.32 v1(105.95,118.9) ; IC11.9 C6.2 ; 145.38,111.09 145.32,111.15 IC18.8 ; IC16.8 120.58,111.1 C46.2 120.52,89.31 122.71,87.12 IC15.8 123,83.48 C45.2 122.99,81.08 FB5.1 ; IC19.8 132.95,113.67 C49.2
  Bottom w2: 150.06,85.36 157.95,85.36 159.92,87.33 ; 122.99,85.09 115.02,85.09 114.39,85.72 108.2,85.72 ; 122.99,85.09 123.37,85.47 129.44,85.47 129.79,85.12 134.36,85.12 136.26,87.02 137.86,87.02 ; 122.99,85.09 122.99,87.07 123,87.08 ; 122.99,85.09 C45.2 ; IC17.8 108.2,113.12 ; 108.2,113.12 108.2,111.06 C47.2 ; 108.2,113.12 118.29,113.12 120.58,115.41 122.94,113.04 131.72,113.04 C49.2 ; 137.9,87.02 143.78,87.02 144.08,87.32 144.12,87.32 ; 108.2,85.72 C53.2 ; 108.2,85.72 IC14.8 ; 144.12,87.32 146.23,87.32 148.18,85.36 148.29,85.47 149.95,85.47 ; 144.12,87.32 C5.2 ; IC18.8 147.38,113.47 155.65,113.47 IC20.8 157.7,115.51 160.03,113.18 168.59,113.18 170.33,114.92 IC21.8 ; J8.9 102.11,120.93 102.17,120.87 102.17,119.22 102.49,118.9 v1(105.95,118.9)
GNDS: length 19.9
  Top w0.25: IC22.5 191.64,120.04 190.62,121.06 190.62,124.63 191.11,125.12 IC22.3
  Bottom w2: v1(202.35,60.04) 189.88,60.04 IC2.20
  vias: v1(141.72,84.46) v1(163.36,107.3) v2(194.39,115.07) v2(194.7,111.9) v2(203.19,109.57) v2(207.63,116.39) v2(207.91,112.92)
/A0: length 214.6
  Top w0.25: CN1.19 207.25,110.27 196.95,99.97 196.95,75.7 194.65,73.4 194.65,54.48 190.03,49.86 IC2.16
  Bottom w0.25: IC2.16 191.8,47.92 191.8,44.15 191.19,43.54 166.5,43.54 164.49,41.53 IC8.10 156.67,41.53 155.36,42.84 141.03,42.84 140.6,43.27 114.41,43.27 IC1.8 108.28,42.03 107.61,42.7 107.61,47.44 105.47,49.58 IC5.36 87.15,49.58 85.95,50.78 70.74,50.78 69.73,49.77 IC4.36
/A1: length 222.5
  Top w0.25: IC2.17 189.89,52.4 193.88,56.39 193.88,73.41 196.24,75.77 196.24,100.3 207.34,111.4 215.43,111.4 CN1.20
  Bottom w0.25: IC2.17 192.41,49.85 192.41,41.79 191.58,40.96 166.66,40.96 164.69,38.99 IC8.9 151.37,38.99 150.18,37.8 137.16,37.8 136.73,38.23 121.9,38.23 120.64,39.49 IC1.9 109.56,39.49 106.76,42.29 106.76,45.64 105.36,47.04 IC5.35 87.36,47.04 86.16,48.24 70.87,48.24 69.86,47.23 IC4.35
/A2: length 167.8
  Top w0.25: 189.86,54.94 193.12,58.2 193.12,73.89 195.51,76.28 195.51,100.43 201.57,106.49 v2(201.57,107.75)
  Bottom w0.25: v2(201.57,107.75) 203.66,107.75 203.68,107.73 CN1.21 ; 189.86,54.94 193.4,51.4 193.4,40.47 191.39,38.46 166.66,38.46 164.65,36.45 IC8.8 151.47,36.45 150.21,35.19 137.89,35.19 137.39,35.69 121.97,35.69 120.71,36.95 IC1.10
/A3: length 175.3
  Top w0.25: v2(199.26,105.88) 198.78,105.88 194.76,101.86 194.76,76.55 192.49,74.28 192.49,60.11 IC2.19
  Bottom w0.25: CN1.22 215.31,106.48 202.66,106.48 202.06,105.88 v2(199.26,105.88) ; IC1.11 120.68,34.41 121.96,33.13 137.83,33.13 138.3,32.66 149.88,32.66 151.13,33.91 IC8.7 164.9,33.91 166.86,35.87 191.23,35.87 194.13,38.77 194.13,53.21 IC2.19
/A4: length 198.2
  Top w0.25: v2(179.59,33.39) 179.02,33.96 179.02,56.93 175.93,60.02 IC2.21 ; v2(194.81,33.12) 195.36,33.66 195.36,73.07 197.59,75.3 197.59,99.46 203.32,105.19 CN1.23
  Bottom w0.25: IC1.12 121.06,31.87 122.38,30.55 138.83,30.55 139.28,30.1 156.71,30.1 IC8.6 164.49,31.37 166.51,33.39 v2(179.59,33.39) 193.52,33.39 193.79,33.12 194.81,33.12 v2(194.81,33.12)
/A5: length 204.5
  Top w0.25: v2(178.82,30.82) 178.11,31.53 178.11,55.46 176.09,57.48 IC2.22 ; CN1.24 215.32,103.95 203.01,103.95 198.23,99.17 198.23,74.93 196,72.7 196,30.93 v2(195.55,30.48)
  Bottom w0.25: v2(195.55,30.48) 194.35,30.48 194.01,30.82 v2(178.82,30.82) 166.94,30.82 164.95,28.83 IC8.5 151.42,28.83 150.1,27.51 138.82,27.51 138.31,28.02 121.97,28.02 120.66,29.33 IC1.13
/A6: length 200.7
  Top w0.25: 174.62,54.94 175.86,54.94 177.53,53.27 v2(177.53,28.26) ; v2(196.62,28.47) 196.73,28.59 196.73,72.25 198.87,74.39 198.87,98.7 202.82,102.65 CN1.25
  Bottom w0.25: v2(196.62,28.47) 194.36,28.47 194.14,28.26 v2(177.53,28.26) 166.75,28.26 164.78,26.29 IC8.4 151.55,26.29 150.33,25.07 138.66,25.07 138.25,25.48 121.91,25.48 120.6,26.79 IC1.14
/A7: length 206.6
  Top w0.25: IC2.24 175.82,52.4 176.57,51.65 176.57,26.13 v2(176.94,25.76) ; CN1.26 215.39,101.48 202.6,101.48 199.58,98.46 199.58,73.74 197.49,71.65 v2(197.49,26.38)
  Bottom w0.25: v2(197.49,26.38) 196.87,25.76 v2(176.94,25.76) 166.8,25.76 164.79,23.75 IC8.3 146.5,23.75 145.24,22.49 139.32,22.49 138.84,22.97 122.06,22.97 120.78,24.25 IC1.15
/A8: length 189.1
  Top w0.25: 190.71,19.38 198.18,19.38 202.07,23.27 202.07,29.92 199.63,32.36 199.63,70.85 201.92,73.14 201.92,92.18 203.47,93.73 203.47,98.13 205.45,100.11 CN1.27 ; IC8.25 144.5,26.29 145.16,25.63 v2(145.16,19.96)
  Bottom w0.25: 189.86,19.38 183.67,19.38 179.83,23.22 166.87,23.22 166.11,22.46 147.66,22.46 v2(145.16,19.96) 134.12,19.96 133.67,20.41 121.98,20.41 120.68,21.71 IC1.16
/A9: length 201.9
  Top w0.25: IC8.24 144.11,28.83 146.41,26.53 146.41,17.34 v2(145.8,16.73) ; 190.71,16.84 196.57,16.84 202.76,23.03 202.76,30.21 200.47,32.5 200.47,70.23 202.69,72.45 202.69,91.91 204.11,93.33 204.11,97.7 205.26,98.85 215.3,98.85 CN1.28
  Bottom w0.25: 113.17,19.17 120.78,19.17 124.56,15.39 130.77,15.39 132.11,16.73 v2(145.8,16.73) 158.29,16.73 162.24,20.68 179.51,20.68 183.35,16.84 189.86,16.84
/A10: length 220.2
  Top w0.25: v2(147.53,14.83) 147.53,28.11 145.57,30.07 141.82,30.07 140.81,31.08 140.81,35.59 141.67,36.45 IC8.21 ; v2(201.53,97.59) 201.85,97.59 202.75,96.69 202.75,94.2 201.09,92.54 201.09,73.23 198.91,71.05 198.91,31.78 201.39,29.3 201.39,23.5 198.5,20.61 189.03,20.61 187.96,19.54 187.96,16.2 IC2.2
  Bottom w0.25: IC2.2 183.41,14.3 179.75,17.97 168.81,17.97 168.13,18.65 161.8,18.65 158.85,15.7 148.4,15.7 v2(147.53,14.83) 133.36,14.83 131.38,12.85 126.27,12.85 126.13,12.72 123.52,12.72 119.6,16.63 IC1.18 ; CN1.29 201.55,97.57 v2(201.53,97.59)
/A11: length 249.9
  Top w0.25: v2(201.33,94.9) 201.09,94.9 200.4,94.21 200.4,73.46 198.21,71.27 198.14,71.27 198.14,31.25 200.71,28.68 200.71,24.04 199.87,23.2 188.08,23.2 187.14,22.26 187.14,12.73 188.11,11.76 IC2.1 ; J3.2 152.4,59.52 152.8,59.12 152.8,55.32 148.2,50.72 148.2,30.89 150.95,28.14 v2(150.95,13)
  Bottom w0.25: IC2.1 182.87,11.76 179.21,15.43 164.77,15.43 163.54,14.19 152.13,14.19 v2(150.95,13) 149.79,11.84 133.26,11.84 131.2,9.78 125,9.78 121.89,12.89 117.62,12.89 116.42,14.09 IC1.19 ; CN1.30 215.27,96.28 202.71,96.28 v2(201.33,94.9)
/A12: length 236.9
  Top w0.25: v2(178.94,66.64) 178.94,62.87 181.7,60.11 181.7,38.91 183.16,37.45 183.16,20.31 177.15,14.3 IC2.39 ; v2(201.83,66.5) 201.73,66.6 201.73,69.06 203.39,70.72 203.39,91.71 206.71,95.03 CN1.31 ; J2.2 153.88,59.52 153.47,59.11 153.47,54.71 149,50.24 149,31.62 151.41,29.21 151.41,16.23 152.97,14.67 v2(152.97,11.75)
  Bottom w0.25: v2(178.94,66.64) 180.85,66.64 181.91,67.7 191.61,67.7 192.81,66.5 v2(201.83,66.5) ; IC1.20 114.31,11.55 114.91,10.95 121.87,10.95 123.84,8.98 132.41,8.98 134.65,11.22 152.44,11.22 v2(152.97,11.75) 154.9,13.69 174,13.69 IC2.39
/A13: length 173.8
  Top w0.25: CN1.37 206.42,87.41 204.13,85.12 204.13,70 203.35,69.22 v2(203.35,65.22) ; v2(140.09,13.09) 140.09,24.15 139.1,25.14 J1.1 ; v2(177.47,65.26) 177.47,62.88 181.08,59.27 181.08,37.88 182.51,36.45 182.51,22.12 177.23,16.84 174.62,16.84
  Bottom w0.25: 174.62,16.84 174.57,16.79 165.19,16.79 163.5,15.11 149.88,15.11 147.9,13.12 147.9,13.11 147.88,13.09 v2(140.09,13.09) 132.85,13.09 131.31,11.55 IC1.21 ; v2(177.47,65.26) 180.86,65.26 182.24,66.64 191.11,66.64 192.53,65.22 v2(203.35,65.22)
/A14: length 163
  Top w0.25: 174.62,19.38 176.73,19.38 181.76,24.41 181.76,36.25 180.29,37.72 180.29,58.54 175.95,62.88 v2(175.95,63.74) ; CN1.38 215.34,86.19 206.32,86.19 204.84,84.71 v2(204.84,63.57)
  Bottom w0.25: v2(204.84,63.57) 204.84,63.41 204.27,62.84 176.85,62.84 v2(175.95,63.74) ; 174.62,19.38 161.65,19.38 158.53,16.26 147.16,16.26 146.64,15.74 132.48,15.74 130.83,14.09 IC1.22
/A15: length 157.1
  Top w0.25: IC2.36 176.84,21.92 180.98,26.06 180.98,35.65 179.63,37 179.63,57.81 175.07,62.37 v2(174.55,62.37) ; CN1.39 207.03,84.87 205.54,83.38 205.54,65.87 206.58,64.83 206.58,62.27 v2(206.47,62.16)
  Bottom w0.25: IC2.36 161.37,21.92 159.39,19.94 147.44,19.94 144.79,17.29 129.07,17.29 IC1.23 ; v2(174.55,62.37) 174.76,62.16 v2(206.47,62.16)
/CART_SND: length 216.9
  Top w0.25: CN1.35 213.94,91.29 218.31,91.29 218.31,113.54 217.78,114.07 205.62,114.07 v2(205.54,114.15) ; v2(98.1,107.51) 98.1,93.51 v2(94.57,89.98)
  Bottom w0.25: v2(98.1,107.51) 115.31,107.51 116.76,108.96 125.71,108.96 128.12,106.55 134.49,106.55 136.55,108.61 142.63,108.61 143.33,109.31 168.75,109.31 169.37,108.69 173.84,108.69 178.66,103.87 194.61,103.87 204.89,114.15 v2(205.54,114.15) ; v2(94.57,89.98) 93.14,88.55 61.49,88.55 60.48,89.56 IC6.18
/D0: length 346
  Top w0.25: v2(98.73,41.96) 99.45,42.68 99.45,63.76 104.72,69.03 104.72,70.85 103.66,71.91 80.11,71.91 71.33,80.69 71.33,96.6 72.34,97.61 v2(72.6,97.61) ; v2(130.09,45.32) 130.09,38.63 IC1.31 ; v2(163.92,68.96) 163.12,68.96 161.42,67.26 161.42,47.06 158.43,44.07 IC8.11
  Bottom w0.25: v2(130.09,45.32) 130.1,45.33 150.51,45.33 150.65,45.19 150.65,45.18 151.76,44.07 IC8.11 ; IC4.33 69.61,42.15 70.68,43.22 85.85,43.22 87.11,41.96 IC5.33 v2(98.73,41.96) 106.15,41.96 109.89,38.22 120.78,38.22 122.05,36.95 IC1.31 ; IC3.23 84.65,99.45 83.35,98.14 73.13,98.14 v2(72.6,97.61) ; CN1.10 217.69,122.97 223.63,117.03 223.63,82.47 219.36,78.2 204.74,78.2 203.89,77.35 179.5,77.35 171.11,68.96 v2(163.92,68.96)
/D1: length 353.1
  Top w0.25: v2(72.93,95.59) 72.8,95.59 72.07,94.86 72.07,80.89 80.19,72.77 103.72,72.77 105.39,71.1 105.39,68.88 100.14,63.63 100.14,40.34 99.22,39.42 v2(99.15,39.42) ; IC8.12 160.64,49.27 160.64,69.66 161.46,70.48 162.33,70.48 v2(162.47,70.34) ; v2(130.56,47.91) 131.12,47.35 131.12,43.66 130.54,43.08 130.54,35.55 129.4,34.41 IC1.30
  Bottom w0.25: CN1.11 213.9,121.73 217.69,121.73 222.84,116.58 222.84,82.32 219.17,78.65 204.16,78.65 203.43,77.92 178.83,77.92 171.63,70.72 162.85,70.72 v2(162.47,70.34) ; IC3.21 84.55,94.37 83.33,95.59 v2(72.93,95.59) ; IC4.32 69.87,39.61 70.91,40.65 86.04,40.65 87.27,39.42 IC5.32 v2(99.15,39.42) 106.32,39.42 110.1,35.64 120.38,35.64 121.61,34.41 IC1.30 ; v2(130.56,47.91) 150.57,47.91 151.87,46.61 IC8.12
/D2: length 334.4
  Top w0.25: v2(161.01,72.19) 160.38,72.19 159.84,71.65 159.84,50.92 158.07,49.15 IC8.13 ; v2(130.83,50.44) 131.64,50.44 132.05,50.03 132.05,43.45 131.34,42.74 131.34,34.23 128.98,31.87 IC1.29 ; IC3.20 75.65,92.41 72.7,89.46 72.7,81.03 80.34,73.39 104.31,73.39 105.84,71.86 105.84,68.24 101.03,63.43 101.03,38.31 99.6,36.88 v2(99.58,36.88)
  Bottom w0.25: IC8.13 145.51,49.15 144.22,50.44 v2(130.83,50.44) ; IC4.31 69.74,37.07 70.68,38.01 85.95,38.01 87.08,36.88 v2(99.58,36.88) 106.08,36.88 109.86,33.1 120.6,33.1 121.83,31.87 IC1.29 ; v2(161.01,72.19) 172,72.19 179.86,80.05 219.51,80.05 222,82.54 222,116.06 217.63,120.43 CN1.12
/D3: length 358.9
  Top w0.25: v2(129.65,72.3) 129.64,72.29 129.64,55.42 v2(132.69,52.37) 132.69,43.13 132.12,42.56 132.12,32.06 129.39,29.33 IC1.28 ; v2(100.07,34.34) 100.24,34.34 101.67,35.77 101.67,62.97 106.29,67.59 106.29,72.29 104.6,73.98 80.76,73.98 73.49,81.25 73.49,88.89 77.65,93.05 77.65,94.91 IC3.19
  Bottom w0.25: CN1.13 213.83,119.12 217.93,119.12 221.18,115.87 221.18,82.87 218.81,80.5 179.21,80.5 172.71,74 142.48,74 142.43,74.05 142.22,74.05 139.06,70.89 130.38,70.89 129.65,71.62 v2(129.65,72.3) ; IC1.28 122.82,29.33 122.78,29.29 121.52,30.55 110.26,30.55 106.47,34.34 v2(100.07,34.34) IC5.30 93.21,34.14 87.47,34.14 86.12,35.49 70.46,35.49 69.5,34.53 IC4.30 ; IC8.15 133.37,51.69 v2(132.69,52.37)
/D4: length 353.2
  Top w0.25: v2(100.62,31.8) 100.66,31.8 102.41,33.55 102.41,62.71 106.9,67.2 106.9,72.59 104.71,74.78 81.08,74.78 74.3,81.56 74.3,88.65 78.34,92.69 78.34,96.76 IC3.18 ; IC1.27 129.71,26.79 132.79,29.87 132.79,42.16 133.35,42.72 133.35,48.37 134.14,49.16 v2(134.18,49.16) 134.18,55.4 132.44,57.14 132.44,72.18 v2(132.46,72.2)
  Bottom w0.25: IC1.27 121.88,26.79 120.62,28.05 109.73,28.05 105.98,31.8 v2(100.62,31.8) IC5.29 86.92,31.8 85.72,33 70.84,33 69.83,31.99 IC4.29 ; CN1.14 217.39,117.89 220.48,114.8 220.48,83.14 218.41,81.07 178.58,81.07 172.34,74.83 141.91,74.83 139.28,72.2 v2(132.46,72.2) ; IC8.16 134.19,49.15 v2(134.18,49.16)
/D5: length 361.9
  Top w0.25: v2(101.13,29.26) 102.97,31.1 102.97,62.13 107.53,66.69 107.53,72.9 104.9,75.53 81.38,75.53 74.93,81.98 74.93,88.31 79.06,92.44 79.06,101.12 IC3.16 ; IC1.26 130.46,24.25 133.55,27.34 133.5,27.39 133.5,41.95 134.1,42.55 134.1,45.85 134.87,46.62 v2(135.03,46.62) 135.03,47.51 136.35,48.83 136.35,57.72 138.65,60.02 138.65,74.26 v2(138.56,74.35)
  Bottom w0.25: IC4.28 69.98,29.45 71.03,30.5 85.72,30.5 86.96,29.26 IC5.28 v2(101.13,29.26) 106.68,29.26 110.58,25.36 110.59,25.38 120.64,25.38 121.76,24.25 IC1.26 ; v2(135.03,46.62) 135.04,46.61 IC8.17 ; CN1.15 213.83,116.58 217.72,116.58 219.89,114.41 219.89,83.67 217.98,81.76 178.51,81.76 172.15,75.4 141.3,75.4 140.25,74.35 v2(138.56,74.35)
/D6: length 362.1
  Top w0.25: IC1.25 129.77,21.71 134.34,26.28 134.34,42.03 135.58,43.27 v2(135.58,44.08) 137.14,45.64 137.14,57.39 139.95,60.2 139.95,75.77 140.3,76.12 v2(140.31,76.12) ; v2(101.68,26.72) 101.76,26.72 103.66,28.62 103.66,61.54 108.36,66.24 108.36,73.11 105.21,76.26 81.58,76.26 75.64,82.2 75.64,87.79 79.75,91.9 79.75,102.97 IC3.15
  Bottom w0.25: v2(135.58,44.08) 135.59,44.07 IC8.18 ; IC4.27 69.38,26.91 70.47,28 85.9,28 87.13,26.77 93.36,26.77 IC5.27 v2(101.68,26.72) 106.36,26.72 110.07,23.01 120.56,23.01 121.86,21.71 IC1.25 ; CN1.16 217.69,115.35 219.12,113.92 219.12,83.84 217.72,82.44 178.22,82.44 171.9,76.12 v2(140.31,76.12)
/D7: length 374
  Top w0.25: v2(102.17,24.18) 104.35,26.36 104.44,26.36 104.44,61.1 109.04,65.7 109.04,73.49 105.46,77.07 81.68,77.07 76.32,82.43 76.32,87.51 80.58,91.77 80.58,104.68 IC3.14 ; v2(141.78,77.65) 141.78,74.01 140.71,72.94 140.71,59.82 137.91,57.02 137.91,42.8 v2(135.9,40.79) 135.83,40.79 135.22,40.18 135.22,23.68 130.71,19.17 128.41,19.17
  Bottom w0.25: CN1.17 213.82,114.03 217.78,114.03 218.61,113.2 218.61,84.24 217.44,83.07 177.99,83.07 171.63,76.71 142.58,76.71 141.78,77.51 v2(141.78,77.65) ; v2(135.9,40.79) 136.64,41.53 IC8.19 ; 128.41,19.17 121.98,19.17 120.7,20.45 109.54,20.45 105.81,24.18 v2(102.17,24.18) IC5.26 86.97,24.18 85.66,25.49 70.89,25.49 69.77,24.37 IC4.26
/dram/DD0: length 99.6
  Top w0.25: v2(110.14,121.42) 110.14,104.3 IC14.2 ; v2(117.82,104.07) 117.82,100.76 116.88,99.82 IC14.14
  Bottom w0.25: v2(117.82,104.07) 120.67,106.92 124.95,106.92 128.25,103.62 132.25,103.62 133.47,104.84 CN3.9 139.55,104.84 139.86,105.15 139.87,105.14 IC10.2 ; IC14.2 110.6,102.36 113.14,99.82 IC14.14 ; v2(110.14,121.42) 109.83,121.73 104.26,121.73 102.52,123.47 77.02,123.47 IC3.8
/dram/DD1: length 95.3
  Top w0.25: v2(110.99,103.99) 110.98,104 110.98,118.82 111.74,119.58 111.74,123.26 111.11,123.89 v2(110.57,123.89)
  Bottom w0.25: IC10.3 139.77,102.6 139.47,102.3 CN3.8 134.87,102.3 132.39,99.82 IC15.14 128.1,99.82 125.56,102.36 IC15.2 119.34,102.36 118.06,101.08 113.9,101.08 v2(110.99,103.99) ; IC3.7 77.02,126.01 J8.7 95.94,127.05 101.67,127.05 104.38,124.34 110.12,124.34 v2(110.57,123.89)
